# KiCad board FrontEnd_5G.kicad_pcb (continued)
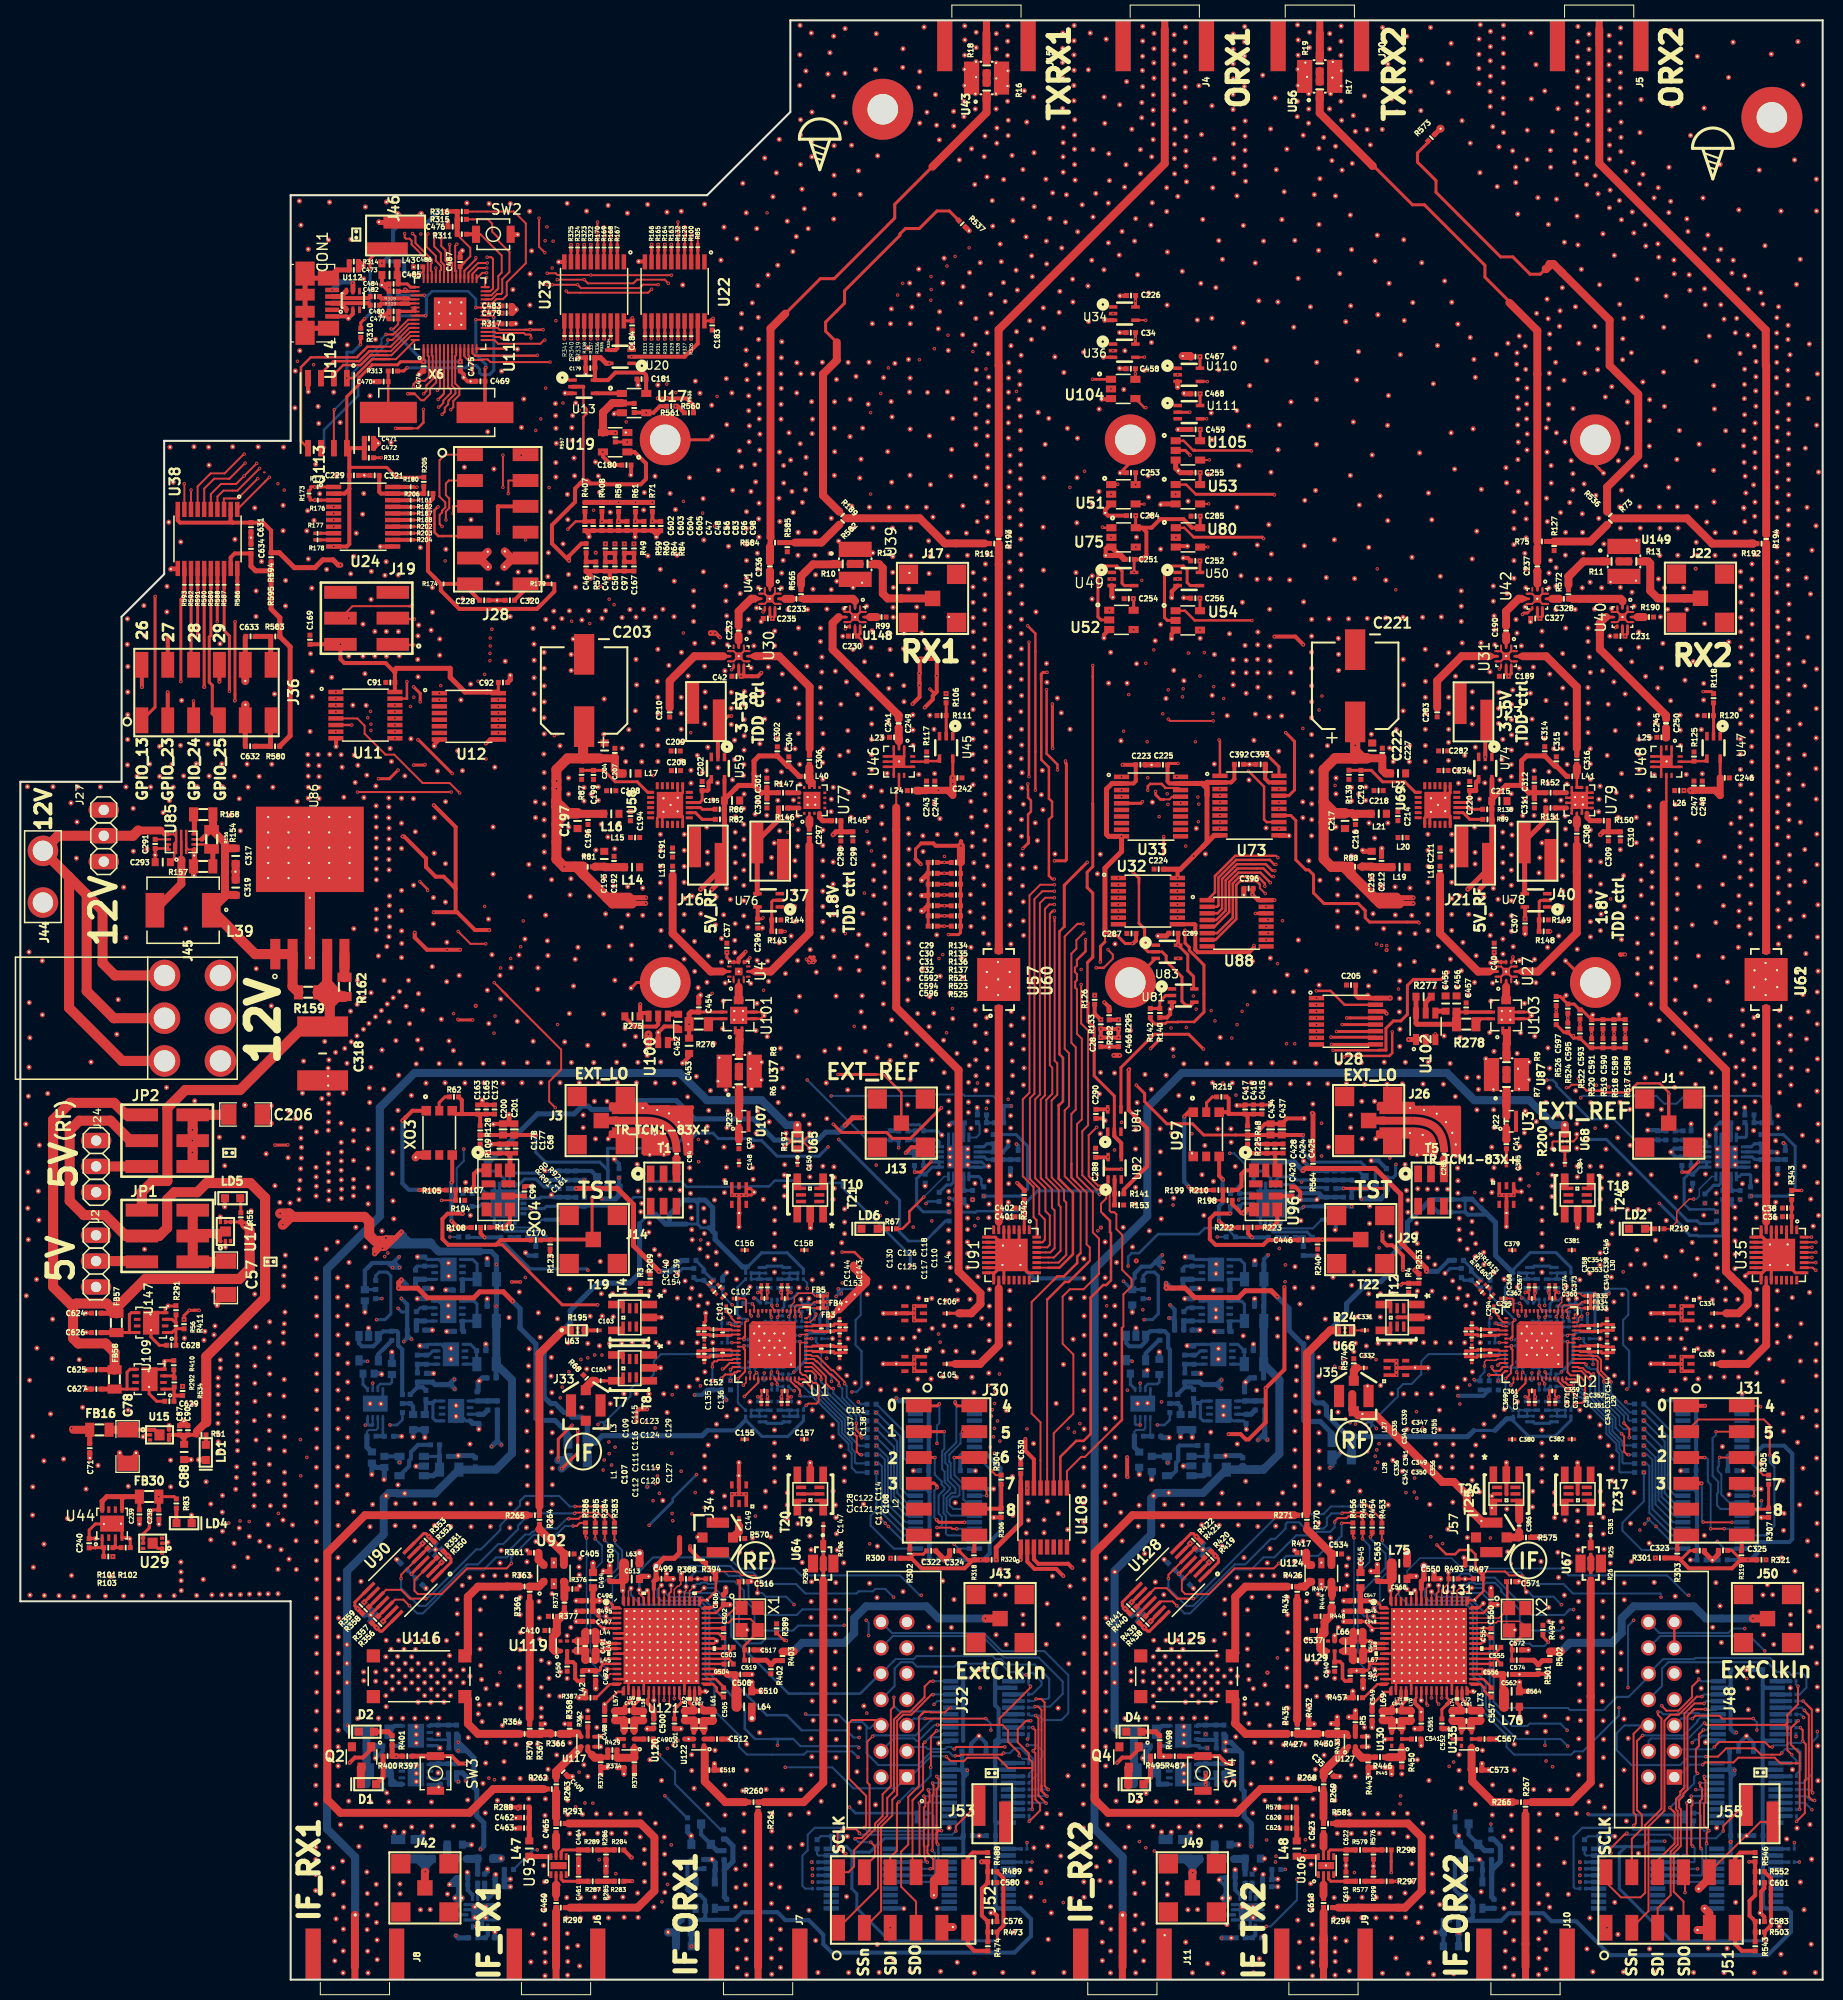
[diagram p0: board, top side]
## Routing (per net, layer and track width the routed paths; a pad name or vN(x,y) marks a point on that pad's centre or on a via; arc(x,y) is an arc through that point) (continued)
  F.FR4 w0.2: v1(52.78,167.09) 49.14,167.09 48.47,167.76 v1(45.83,167.76)
  B.FR4 w0.2: v1(55.43,167.09) v1(55.43,170.53) ; v1(63.7,166.73) 63.37,167.06 63.37,167.84 63.36,167.84 v1(63.36,170.55)
/RP2040_MCU/MCU_GPIO19: length 28.8
  F.RO w0.2: v1(62.7,166.6) 61.21,166.6 60.87,166.26 55.11,166.26 v1(54.78,166.59) v1(52.28,166.59) ; 54.78,170.53 v1(54.78,170.52) ; v1(45.85,168.24) 45.02,168.24 44.45,167.67 U115.30
  F.FR4 w0.2: 52.27,168.24 v1(52.28,168.24) v1(45.85,168.24)
  B.FR4 w0.2: v1(62.7,166.6) v1(62.7,170.56) ; v1(54.78,166.59) v1(54.78,170.52) ; v1(52.28,168.24) v1(52.28,166.59)
/RP2040_MCU/MCU_GPIO20: length 29.5
  F.RO w0.2: 54.13,170.53 v1(54.13,170.52) ; v1(45.89,168.73) 45.01,168.73 44.04,167.77 U115.31 ; v1(62.05,166.15) 61.71,165.81 53.83,165.81 v1(53.66,165.98)
  F.FR4 w0.2: v1(54.13,170.52) 53.18,170.52 51.39,168.73 v1(45.89,168.73)
  B.FR4 w0.2: v1(62.05,166.15) v1(62.05,170.56) ; v1(54.13,170.52) 54.13,166.45 v1(53.66,165.98)
/RP2040_MCU/MCU_GPIO23: length 48.8
  F.RO w0.2: v1(23.34,147.54) 21.39,145.59 20,145.59 20,144.54 U38.3 ; v1(42.2,170.56) 42.2,169.01 42.45,168.77 U115.35
  F.FR4 w0.2: 23.99,148.14 24,148.15 24.55,148.15 ; 24.55,148.15 29.69,148.15 30.45,148.91 30.45,153.02 31.58,154.15 31.58,156.38 31.18,156.78 31.18,157.84 31.77,158.43 36.38,158.43 37.8,159.85 38.18,159.85 38.7,160.37 41.28,160.37 42.61,161.7 ; 24.55,148.15 23.95,148.15 v1(23.34,147.54) ; 42.61,161.7 42.8,161.89 42.8,165.68 42.2,166.28 v1(42.2,170.56) ; 42.61,161.7 42.57,161.66
/RP2040_MCU/MCU_GPIO23_EXT: length 19.3
  F.RO w0.3: v1(20.55,126.63) 20.55,132.08 20.03,132.6 R587.2
  F.RO w0.4: v1(14.49,126.53) J36.2
  F.FR4 w0.3: v1(14.49,126.53) 20.45,126.53
  F.FR4 w0.4: 20.45,126.53 v1(20.55,126.63)
/RP2040_MCU/MCU_GPIO24: length 48.2
  F.RO w0.2: v1(41.38,171.19) 41.38,170.39 41.79,169.98 41.79,168.96 42.04,168.71 U115.36 ; v1(23.52,148.54) 21.34,146.36 19.96,146.36 19.38,145.78 U38.4
  F.FR4 w0.2: 23.51,148.54 27.73,148.54 28.51,149.32 28.51,149.35 29.1,149.94 29.1,152.22 29.31,152.43 29.78,152.43 29.91,152.56 29.91,153.56 29.83,153.64 29.83,155.34 30.05,155.56 30.05,156.3 30.51,156.76 30.51,157.69 31.64,158.82 36.07,158.82 37.41,160.16 37.84,160.16 38.76,161.08 41.22,161.08 41.7,161.56 41.7,168.61 41.38,168.93 v1(41.38,171.19)
/RP2040_MCU/MCU_GPIO24_EXT: length 18.9
  F.RO w0.3: v1(19.36,133.47) 19.36,136.81 R588.2 ; v1(17.02,125.68) 17.02,123.79 J36.3 ; 21.07,125.69 21.06,125.69 v1(21.1,125.73) 21.1,133.46 v1(21.11,133.47)
  F.FR4 w0.3: 21.06,125.69 17.03,125.69 v1(17.02,125.68) ; v1(21.11,133.47) v1(19.36,133.47)
  B.FR4 w0.3: v1(21.1,125.73) 21.07,125.7
/RP2040_MCU/MCU_GPIO25: length 49.8
  F.RO w0.2: 21.99,147.79 21.21,147.01 19.72,147.01 18.73,146.02 U38.5 ; 21.99,147.79 v1(23.23,149.03) ; 21.99,147.79 v1(22,147.8) ; v1(40.68,171.59) 40.68,170.36 41.34,169.7 41.34,168.86 41.67,168.53 41.67,167.86 41.65,167.84 U115.37
  F.FR4 w0.2: v1(23.23,149.03) 23.81,149.03 ; v1(23.23,149.03) v1(22,147.8) ; v1(23.23,149.03) 23.81,149.03 ; 23.81,149.03 27.41,149.03 28.64,150.26 28.64,154.77 29.57,155.7 29.57,156.68 30.02,157.13 30.02,157.83 31.44,159.25 33.36,159.25 33.36,159.26 35.7,159.26 36.9,160.46 37.28,160.46 38.12,161.3 38.12,165.63 38.37,165.88 38.37,166.59 38.97,167.19 39.67,167.19 40.26,167.78 40.26,169.25 40.68,169.67 v1(40.68,171.59)
/RP2040_MCU/MCU_GPIO25_EXT: length 13.5
  F.RO w0.3: 18.87,124.48 18.87,127.22 18.57,127.52 18.57,131.97 18.73,132.13 R589.2
  F.RO w0.4: 18.87,124.48 J36.4
/RP2040_MCU/MCU_GPIO26: length 48.5
  F.RO w0.2: v1(40.06,171.59) 39.93,171.46 39.93,170.33 40.84,169.42 40.84,168.94 41.34,168.44 41.34,168.05 41.24,167.95 U115.38 ; v1(22.1,149.07) 20.56,147.53 19.05,147.53 18.08,146.56 18.08,144.51
  F.FR4 w0.2: v1(22.1,149.07) 22.53,149.5 27.15,149.5 28.17,150.52 28.17,154.84 29.24,155.92 29.24,157.67 31.3,159.72 33.28,159.72 33.55,160 35.9,160 36.66,160.76 36.95,160.76 37.66,161.47 37.66,165.52 37.31,165.87 37.31,166.38 37.5,166.57 37.5,168.48 38.26,169.24 39.32,169.24 40.06,169.98 v1(40.06,171.59)
/RP2040_MCU/MCU_GPIO26_EXT: length 18.1
  F.RO w0.3: R590.2 18.07,127.07
  F.RO w0.4: 18.07,127.07 v1(18.08,127.06) ; J36.7 v1(11.95,127.04)
  F.FR4 w0.3: v1(18.08,127.06) 11.94,127.06
  F.FR4 w0.4: 11.94,127.06 11.93,127.05
/RP2040_MCU/MCU_GPIO27: length 46.9
  F.RO w0.2: v1(40.84,168.24) 40.85,168.24 U115.39 ; v1(22.01,149.95) 21.97,149.95 20.07,148.05 18.71,148.05 17.42,146.77 U38.7
  F.FR4 w0.2: v1(39.37,171.58) 39.37,170.49 38.48,169.6 38.12,169.6 36.99,168.47 36.99,168.11 36.89,168.01 36.89,163.45 35.25,161.81 34.65,161.81 34.41,161.57 33.71,161.57 33.7,161.56 33.22,161.56 32.91,161.25 32.91,160.54 32.44,160.07 31.17,160.07 27.6,156.5 27.6,150.68 26.87,149.95 v1(22.01,149.95)
  B.FR4 w0.2: v1(39.37,171.58) 39.37,171.05 39.46,170.96 39.46,170.98 39.91,170.53 39.91,169.17 v1(40.84,168.24)
/RP2040_MCU/MCU_GPIO27_EXT: length 10.5
  F.RO w0.3: 17.43,132.1 R591.2
  F.RO w0.4: 17.43,132.1 v1(17.44,132.09) ; J36.8 v1(14.49,132.09)
  F.FR4 w0.3: v1(14.49,132.09) v1(17.44,132.09)
  B.FR4 w0.4: v1(14.49,132.09) 14.48,132.09
/RP2040_MCU/MCU_GPIO28: length 49.3
  F.RO w0.2: v1(16.78,146.42) 16.77,146.42 U38.8 ; v1(38.55,171.63) 38.84,171.34 38.84,170.68 40.45,169.07 40.45,168.74 40.35,168.64 40.35,167.96 40.45,167.87 U115.40
  F.FR4 w0.2: v1(16.78,146.42) 16.79,146.41 16.8,146.41 17.4,145.81 25.34,145.81 v1(25.94,146.41) ; v1(28.83,158.74) 29.66,159.57 29.96,159.57 29.96,159.58 32.35,161.97 33.53,161.97 34.92,163.36 34.92,167.13 35.07,167.28 35.51,167.28 36.63,168.4 36.63,168.61 37.94,169.92 38.15,169.92 38.44,170.21 38.44,171.52 v1(38.55,171.63)
  B.FR4 w0.2: v1(25.94,146.41) 26.58,147.05 26.58,149.41 27.96,150.79 27.96,152.63 27.95,152.63 28.05,152.73 28.05,153.58 28.25,153.78 28.25,154.4 29.1,155.25 29.1,156.42 28.67,156.85 28.67,158.12 ; 28.67,158.12 28.67,158.51 ; 28.67,158.12 28.67,158.58 v1(28.83,158.74)
/RP2040_MCU/MCU_GPIO28_EXT: length 7.7
  F.RO w0.3: R592.2 16.78,129.49
  F.RO w0.4: 16.78,129.49 J36.9
/RP2040_MCU/MCU_GPIO29: length 49.6
  F.RO w0.2: v1(16.11,147.04) 16.12,147.03 U38.9 ; v1(37.78,171.63) 37.78,171.24 37.9,171.12 38.26,171.12 38.46,170.92 38.46,170.56 40.04,168.98 U115.41
  F.FR4 w0.2: v1(16.11,147.04) 18.16,147.04 18.86,146.34 24.62,146.34 v1(25.32,147.04) ; v1(27.24,159.07) 27.41,159.24 27.93,159.24 27.93,159.26 28.74,160.07 29.5,160.07 31.98,162.55 32.65,162.55 33.02,162.92 33.02,163.48 34.38,164.84 34.38,167.54 34.68,167.84 35.44,167.84 37.78,170.18 v1(37.78,171.63)
  B.FR4 w0.2: v1(25.32,147.04) 25.97,147.69 25.97,149.67 27.4,151.1 27.4,152.73 27.39,152.73 27.67,153.01 27.67,158.64 v1(27.24,159.07)
/RP2040_MCU/MCU_GPIO29_EXT: length 14.8
  F.RO w0.3: 16.12,135.99 15.78,135.65 v1(15.78,127.59)
  F.RO w0.4: v1(19.57,127.58) J36.10 ; R593.2 16.12,135.99
  F.FR4 w0.3: v1(19.57,127.58) 15.79,127.58
  F.FR4 w0.4: 15.79,127.58 v1(15.78,127.59)
/RP2040_MCU/MISO_1_EXT: length 6.3
  F.RO w0.2: v1(39.28,144.12) R187.2 ; 44.18,144.83 42.54,144.83 v1(42.54,144.11) ; 44.18,144.83 J28.3 44.18,144.83
  F.FR4 w0.3: v1(42.54,144.11) 42.53,144.12 v1(39.28,144.12)
/RP2040_MCU/MOSI_1_EXT: length 9.5
  F.RO w0.2: v1(39.24,143.47) R188.2 ; v1(41.84,143.47) 41.83,143.48 41.83,144.31 42.16,144.64 42.16,145.58 41.83,145.91 41.83,147.06 42.12,147.35 J28.2
  F.FR4 w0.3: v1(39.24,143.47) v1(41.84,143.47)
/RP2040_MCU/PB0_pin_VDD_CON: length 11.8
  F.RO w0.2: v1(49.66,141.51) J28.10 ; R204.2 v1(39.2,141.52)
  F.FR4 w0.25: v1(49.66,141.51) 49.65,141.52 v1(39.2,141.52)
  B.FR4 w0.2: 49.65,141.52 v1(49.66,141.51)
/RP2040_MCU/PC4_pin_VDD_CON: length 13.7
  F.RO w0.2: R203.2 v1(39.21,142.17)
  F.RO w0.4: v1(46.95,142.17) 46.95,144.81 46.94,144.81 J28.9
  F.FR4 w0.25: v1(39.21,142.17) v1(46.95,142.17)
/RP2040_MCU/QSPI_CSn: length 25.4
  F.RO w0.2: 36.32,159.28 36.93,159.28 U115.56
  F.RO w0.25: 36.32,159.28 34.6,159.28 32.74,157.42 v2(32.09,157.42)
  F.RO w0.3: v2(33.43,160.74) 33.43,161.39 R310.1 ; v1(35.47,149.61) 35.45,149.59 R312.2
  F.FR4 w0.3: v2(32.09,157.42) 32.85,156.66 32.85,152.26 32.09,151.5 32.09,150.3 32.78,149.61 v1(35.47,149.61)
  B2.RO w0.3: 32.1,157.41 32.1,159.97 32.68,159.97 33.44,160.73
/RP2040_MCU/QSPI_SCK: length 16.8
  F.RO w0.2: v2(36.14,161.17) 36.15,161.17 36.57,161.17 38.16,162.75 U115.52 ; v2(29.85,150.59) 29.79,150.54 U113.6
  F.RO w0.25: 29.55,150.54 U113.6
  B2.RO w0.2: v2(36.14,161.17) 36.1,161.13 36.1,160.86 33.21,157.97
  B2.RO w0.25: 33.21,157.97 33.21,155.69 29.85,152.33 v2(29.85,150.59)
/RP2040_MCU/QSPI_SD0: length 21.1
  F.RO w0.2: 35.71,160.5 36.4,160.5 38.26,162.36 U115.53
  F.RO w0.25: 35.71,160.5 34.12,160.5 33.07,159.46 28.54,159.46 27.59,158.5 27.59,151.23 U113.5
/RP2040_MCU/QSPI_SD1: length 9.9
  F.RO w0.2: 36.1,159.67 36.48,159.67 38.37,161.56 U115.55
  F.RO w0.25: 36.1,159.67 34.43,159.67 33.46,158.69 31.74,158.69 30.82,157.78 U113.2
/RP2040_MCU/QSPI_SD2: length 11.4
  F.RO w0.2: 35.93,160.06 36.43,160.06 38.32,161.96 U115.54
  F.RO w0.25: 35.93,160.06 34.32,160.06 33.32,159.07 30.76,159.07 29.55,157.86 U113.3
/RP2040_MCU/QSPI_SD3: length 17
  F.RO w0.2: 36.66,161.71 38.12,163.16 U115.51 ; 36.66,161.71 36.4,161.71 ; 36.66,161.71 35.95,161.71 v2(35.94,161.71) ; v2(30.87,154.31) 30.82,154.27 U113.7
  B2.RO w0.2: 30.87,154.31 32.63,156.07 32.63,157.92 35.5,160.79 35.5,161.27 v2(35.94,161.71)
/RP2040_MCU/RESETn: length 9.3
  F.RO w0.2: U115.26 46.31,165.56 46.98,166.22 46.98,167.45 47.32,167.79 47.32,169.46 45.23,171.56 SW2.2
  F.RO w0.4: R311.2 SW2.2
/RP2040_MCU/SCLK_1_EXT: length 8.9
  F.RO w0.2: v1(41.06,144.76) 41.06,144.78 ; v1(39.29,144.76) R182.2
  F.RO w0.25: 41.06,144.78 40.71,144.43 40.71,142.26 41.08,141.89 43.82,141.89 J28.4
  F.FR4 w0.3: v1(39.29,144.76) v1(41.06,144.76)
/RP2040_MCU/SPI_2_MCU_DIR_OUT_in: length 62.8
  F.RO w0.25: v1(38,127.59) 38,125.91 37.99,125.9 37.98,125.92 U11.15 ; 55.35,147.38 55.35,153.61 55.66,153.92 55.66,154.39 55.35,154.7 55.35,156.57
  F.RO w0.4: 55.31,147.34 54.53,146.56 54.53,145.24 52.26,142.97 52.26,141.15 v1(53.94,139.47) 53.94,139.94 55.15,141.15 R49.2 ; 55.31,147.34 55.75,147.34 56.03,147.06 57.47,147.06 57.55,146.98 60.99,146.98 61.5,147.49 61.5,149.03 60.37,150.16 U19.1 ; 55.31,147.34 55.35,147.38 ; U13.2 55.35,156.57
  F.FR4 w0.25: 41.79,139.47 v1(41.76,139.44)
  F.FR4 w0.4: v1(53.94,139.47) 41.79,139.47
  B.FR4 w0.25: 40.51,131.91 40.51,130.12 39.36,128.97 39,128.97 38.44,128.41 38.44,128.05 37.99,127.6 ; 41.42,139.47 41.4,139.44 v1(41.76,139.44) 41.76,139.44 41.79,139.47 41.42,139.47
  B.FR4 w0.3: v1(38,127.59) 37.99,127.59 37.99,127.6 ; 41.4,139.44 41.18,139.23 41.18,132.58 40.51,131.91
/RP2040_MCU/SS_1_EXT: length 13.9
  F.RO w0.2: v1(41.46,142.83) 41.22,143.07 41.22,143.98 41.46,144.22 41.46,144.39 41.77,144.7 41.77,145.2 41.2,145.77 41.2,149.33 41.76,149.89 J28.1 43.41,149.89 ; v1(39.24,142.82) R202.2
  F.FR4 w0.25: v1(41.46,142.83) 41.45,142.82 v1(39.24,142.82)
  B.FR4 w0.2: v1(41.46,142.83) 41.45,142.82
/RP2040_MCU/SWCLK: length 16.6
  F.RO w0.2: R316.1 48.52,173.79 49.69,172.62 49.69,168.71 47.81,166.83 47.81,165.55 47.44,165.18 46.8,165.18 46.37,164.75 U115.24
/RP2040_MCU/SWDIO: length 12.5
  F.RO w0.2: U115.25 46.34,165.16 46.86,165.68 47.24,165.68 47.37,165.81 47.37,167.14 48.08,167.85 48.08,169.81 47,170.89 47,171.19 46.38,171.81 46.38,172.59 45.95,173.03 R315.1
/RP2040_MCU/TX/rx_1_EXT: length 14.2
  F.RO w0.2: v1(47.44,146.69) v1(47.44,149.84) ; v1(49.24,149.84) 49.61,149.84 J28.7
  F.RO w0.3: v1(38.98,146.69) 38.68,146.69 R180.2
  F.FR4 w0.3: v1(47.44,146.69) v1(38.98,146.69) ; v1(47.44,149.84) v1(49.24,149.84)
/RP2040_MCU/TX/rx_2_EXT: length 12.6
  F.RO w0.2: v1(39.28,145.44) 39.25,145.41 R181.2 ; J28.8 48,147.35 47.97,147.32 47.97,146.07 v1(47.96,146.06)
  F.FR4 w0.25: 47.94,146.04 v1(47.96,146.06) ; 47.96,146.05 47.97,146.05 47.97,146.04
  F.FR4 w0.3: 47.96,146.05 47.35,145.44 v1(39.28,145.44) ; 47.97,146.04 47.94,146.04
/RP2040_MCU/USB_BOOTn: length 9.3
  F.RO w0.3: v2(33.85,163.25) 33.46,162.87 R310.2 ; v2(34.37,168.18) 34.37,169.15 35.4,170.17 J46.1
  B2.RO w0.3: 33.85,163.24 34.38,163.77 34.38,168.17
/RP2040_MCU/USB_DM: length 5.5
  F.RO w0.2: 38.05,165.34 38.24,165.16 U115.46
  F.RO w0.4: 37.76,165.25 37.77,165.25 37.71,165.25 38.14,165.25 36.5,165.25 ; 35.48,165.25 R308.2 35.48,165.25 ; 35.48,165.25 36.5,165.25 ; 35.48,165.25 36.5,165.25
/RP2040_MCU/USB_DP: length 5.3
  F.RO w0.2: U115.47 38.16,164.75 38.14,164.73
  F.RO w0.4: 37.44,164.73 35.45,164.73 ; 37.44,164.73 38.18,164.73 ; 37.44,164.73 38.18,164.73 ; 37.44,164.73 38.18,164.73 ; 35.45,164.73 R309.2 35.45,164.73
/RP2040_MCU/VREG_OUT_1V1: length 19.8
  F.RO w0.2: v2(39.71,165.56) 39.71,165.56 U115.45 ; v2(39.84,163.55) 39.84,163.56 U115.50 ; v2(44.77,164.35) 44.77,164.36 U115.23 47.2,164.36 C483.2
  F.RO w0.25: 46.21,164.36 47.2,164.36 C483.2
  F.RO w0.3: 47.33,164.51 C483.2
  B2.RO w0.25: 44.78,164.36 44.78,164.32 44.78,165.18 44.01,165.95 40.47,165.95 40.07,165.55 39.7,165.55
  B2.RO w0.3: 37.15,165.55 39.7,165.55 v2(39.71,165.56) 39.92,165.35 39.92,163.64 39.82,163.54 39.82,163.53 ; 37.15,163.54 39.83,163.54 39.82,163.53 ; 39.82,163.53 v2(39.84,163.55) ; v2(44.77,164.35) 44.78,164.36
/RP2040_MCU/XIN: length 13.5
  F.RO w0.2: v2(44.77,163.16) 44.77,163.16 U115.20
  F.RO w0.3: v2(45.76,158.45) 45.68,158.37 45.68,154.09 45.67,154.09 C469.1
  B2.RO w0.3: v2(44.77,163.16) 44.77,163.17 44.77,159.74 45.76,158.75 45.76,158.44 v2(45.76,158.45)
/RP2040_MCU/XOUT: length 16.6
  F.RO w0.2: v2(46.54,163.4) 46.37,163.56 U115.21
  F.RO w0.3: R313.1 37.7,158.12 v2(38.01,158.44)
  B2.RO w0.3: 38.02,158.43 43.78,158.43 44.01,158.66 44.79,158.66 45.15,158.3 45.15,157.94 45.33,157.76 46.11,157.76 46.54,158.19 46.54,163.39
/SC1905_1/ADCIN0N(P7): length 14.5
  F.RO w0.15: U121.25 v2(63.28,27.46)
  F.FR4 w0.2: v2(63.62,22.73) 63.28,23.07 v2(63.28,27.46)
  B.FR4 w0.25: v2(63.36,18.08) 62.44,19 62.44,20 63.33,20.89 63.33,21.85 63.62,22.14 v2(63.62,22.73)
  B2.RO w0.25: v2(63.36,18.08) 65.53,15.91 R381.1
/SC1905_1/ADCIN0P(P6): length 16.5
  F.RO w0.15: 62.78,26.96 62.77,26.97 62.77,28.4 U121.24
  F.FR4 w0.2: v2(62.85,22.11) 62.89,22.15 62.89,26.55 62.77,26.67 v2(62.77,26.96)
  B2.RO w0.15: 62.78,26.96 v2(62.77,26.96)
  B2.RO w0.2: R382.1 68.86,14.72 64.36,19.22 64.36,20.48 62.85,21.99 v2(62.85,22.11)
/SC1905_1/ADCIN1N(P10): length 43.7
  F.RO w0.15: v2(64.29,27.63) 64.29,28.4 U121.27
  F.RO w0.2: v2(56.9,11.79) 56.89,11.79
  F.FR4 w0.2: 56.91,11.79 v2(56.9,11.79) 56.91,11.79 ; 56.91,11.79 58.38,11.79 ; v2(64.65,23.51) 64.3,23.86 64.3,24.96 65.09,25.75 65.09,26.63 64.29,27.43 v2(64.29,27.63) ; v2(56.9,8.85) 50.58,8.85 46.95,5.22 v2(44.75,5.22)
  F.FR4 w0.25: v2(64.51,11.21) 63.2,11.21 62.84,10.85 59.94,10.85 59,11.79 58.38,11.79
  B.FR4 w0.2: 64.49,14.27 64.49,17.03 64.9,17.44 64.9,22.19 64.65,22.44 v2(64.65,23.51) ; v2(56.9,8.85) v2(56.9,11.79)
  B.FR4 w0.25: v2(64.51,11.21) 64.73,11.43 64.73,13.85 64.49,14.09 64.49,14.27
  B2.RO w0.3: IC1.12 v2(44.75,5.22) IC1.11
/SC1905_1/ADCIN1P(P9): length 33.7
  F.RO w0.15: 63.79,27.38 63.79,28.4 U121.26 ; 63.79,27.38 63.79,27.07 ; 63.79,27.38 63.79,27.06 v2(63.88,26.97)
  F.FR4 w0.15: 63.91,26.94 v2(63.88,26.97) 63.91,26.94 ; 63.91,26.94 63.91,26.68
  F.FR4 w0.2: 63.91,26.94 63.91,23.3 v2(64.15,23.06) ; 57.83,12.36 51.21,12.36 v2(50.81,12.76)
  F.FR4 w0.25: v2(63.99,13.25) 63.12,13.25 62.04,12.17 60.83,12.17 60.43,12.57 59.71,12.57 59.5,12.36 57.83,12.36
  B.FR4 w0.2: 63.82,15.33 63.82,17.25 64.25,17.68 64.25,18.58 63.82,19.01 63.82,21.55 64.15,21.88 v2(64.15,23.06)
  B.FR4 w0.25: v2(63.99,13.25) 63.99,14.84 63.82,15.01 63.82,15.33
  B2.RO w0.2: v2(50.81,12.76) 50.41,12.76 R391.2 48.49,10.84
/SC1905_1/DGPIN0: length 74.7
  F.RO w0.15: 60.03,38.46 59.78,38.21 U121.63
  F.FR4 w0.25: J32.7 88.3,28.68 v2(94.35,28.68) ; 86.91,27.53 85.68,26.3 83.31,26.3 v2(83.21,26.2)
  F.FR4 w0.3: J32.7 86.91,27.53
  B.FR4 w0.2: v2(82.35,21.86) 83.01,21.86 83.25,22.1 83.25,26.22
  B.FR4 w0.25: v2(99.45,11.56) 99.14,11.56 95.96,14.74 95.96,19.96 95.44,20.48 95.44,21.61
  B.FR4 w0.3: J32.7 86.93,27.31
  B.FR4 w0.4: 95.44,21.61 95.44,23.62 94.35,24.71 v2(94.35,28.68)
  B2.RO w0.15: 73.89,22.12 73.94,22.12
  B2.RO w0.2: v2(99.45,11.56) 99.44,11.56 99.43,11.55 98.94,11.55 ; v2(82.35,21.86) 81.97,22.25 81.94,22.25 81.76,22.43 77.33,22.43 77.02,22.12 71.41,22.12 70.64,22.89 70.64,24.03 68.23,26.44 68.23,28.97 67.34,29.86 67.34,36.22 66.7,36.86 60.98,36.86 60.03,37.81 60.03,38.46
/SC1905_1/DGPIN1: length 63
  F.RO w0.15: U121.56 63.28,38.12 63.27,38.13
  F.RO w0.2: v2(88.93,25.66) v2(94.91,25.66)
  F.FR4 w0.2: v2(82.46,23.8) 82.56,23.8 83.25,23.11 83.83,23.11 84.15,23.43 86.47,23.43 87.15,24.11 J32.5 ; 98.95,23.7 98.33,23.7 ; 98.95,23.7 v2(99,23.65) ; 98.95,23.7 98.33,23.7 ; 98.33,23.7 97.07,23.7 96.76,24.01 95.93,24.01 v2(95.41,24.53)
  B.FR4 w0.2: v2(99,23.65) 98.44,23.65 97.76,22.97
  B.FR4 w0.25: v2(98.95,13.47) 98.75,13.47 97.21,15.01 97.21,22.42 97.82,23.03 97.76,22.97
  B2.RO w0.2: 68.97,35.6 66.95,37.62 63.78,37.62 63.27,38.13 ; v2(88.93,25.66) 87.82,25.66 J32.5 ; v2(94.91,25.66) 95.13,25.44 95.12,25.45 95.41,25.16 v2(95.41,24.53) ; v2(98.95,13.47) 98.94,13.47 98.94,12.85 ; 99.11,23.89 99.09,23.91 R482.2 ; 76.81,24.51 81.2,24.51 81.91,23.8 v2(82.46,23.8)
  B2.RO w0.25: 76.81,24.51 75.33,25.99 73.38,25.99 69.29,30.08 69.29,35.28 68.97,35.6 ; R482.2 99.1,24.12 99.1,23.75 v2(99,23.65)
/SC1905_1/DGPIN1_EXT: length 16.3
  F.RO w0.2: v2(88.92,23.35) 88.74,23.17 88.74,18.68 87.7,17.64 87.7,10.91 J52.10
  B2.RO w0.2: 91.46,24.13 91.46,24.14 90.65,24.14 90.34,23.83 89.4,23.83 v2(88.92,23.35)
/SC1905_1/EXTCLKIN(P20): length 3.2
  F.RO w0.15: C519.1 72.16,31.4
  F.RO w0.5: R403.2 74.18,31.36 R402.2 73.34,31.4 C519.1
/SC1905_1/LOADENB: length 75.3
  F.RO w0.2: v2(99.52,24.77) 99.78,24.51 99.78,22.71 v2(99.56,22.49) 99.78,22.27 99.78,17.71 100.24,17.25 100.24,16.63 v2(99.17,15.56) ; 60.83,38.31 60.83,37.98 61.28,37.53 U121.60 ; v2(96.77,22.87) 92.01,22.87 v2(91.82,22.68)
  F.FR4 w0.2: v2(96.77,22.87) 97.15,22.49 v2(99.56,22.49)
  B.FR4 w0.25: v2(88.57,37.78) 88.57,27.07 88.27,26.77 88.27,23.57 J32.3
  B2.RO w0.2: 61.15,40.45 60.86,40.16 60.86,38.38 ; 61.15,40.45 60.83,40.13 60.83,38.31 ; 61.15,40.45 61.71,41.01 62.2,41.5 69.64,41.5 70.73,40.41 76.08,40.41 76.76,39.73 86.46,39.73 88.41,37.78 v2(88.57,37.78) ; v2(99.17,15.56) 99.17,16.08 R467.2 ; R481.2 99.51,24.78 v2(99.52,24.77) ; v2(91.82,22.68) 91.68,22.68 91.49,22.87 91.08,22.87 90.89,22.68 89.18,22.68 88.99,22.87 87.57,22.87 J32.3
/SC1905_1/LOADENB_EXT: length 18.8
  F.RO w0.2: v2(89.48,20.87) 89.51,20.9 89.51,23.9 v2(90.07,24.46) ; v2(86.36,17.47) 86.18,17.29 86.17,17.29 86.17,12.67 85.51,12.01 J52.9 85.51,11.72
  B2.RO w0.2: v2(89.48,20.87) 89.48,20.03 88.25,18.8 87.7,18.8 86.37,17.47 v2(86.36,17.47) ; v2(90.07,24.46) 90.08,24.45 90.29,24.45 90.62,24.78 U134.13
/SC1905_1/MGPO0(P34): length 31.2
  F.RO w0.2: v2(54.53,46.51) 57.06,46.51 58.4,45.17 R383.2 ; v2(39.87,37.45) 38.29,37.45 37.42,38.32 35.95,38.32 U90.10
  F.RO w0.3: U90.10 R358.1
  B2.RO w0.2: v2(54.53,46.51) 54,46.51 52.97,47.54 49.61,47.54 49.12,47.05 49.12,46.6 47.18,44.66 47.18,44.2 45.27,42.29 44.82,42.29 39.98,37.45 v2(39.87,37.45)
/SC1905_1/MGPO1(P35): length 30.4
  F.RO w0.2: v2(54.48,45.83) 54.55,45.9 56.81,45.9 57.45,45.26 R384.2 ; v2(37.43,39.42) 37.43,39.8 U90.5
  F.RO w0.3: U90.5 R352.1
  B2.RO w0.2: v2(54.48,45.83) 50.12,45.83 49.13,44.84 ; v2(37.43,39.42) 37.43,38.48 39.17,36.74 39.86,36.74 43.94,40.82 44.98,40.82 46.97,42.81 47.46,42.81 48.93,44.28 48.93,44.64 49.13,44.84 ; 49.13,44.84 49.13,44.83 49.13,44.84
/SC1905_1/MGPO2(P37): length 27.3
  F.RO w0.2: v2(53.91,45.3) 54.87,45.3 55.11,45.54 56.22,45.54 56.52,45.24 R385.2 ; v2(38.25,36.75) 37.65,37.35 36.82,37.35 U90.12
  F.RO w0.3: U90.12 R357.1
  B2.RO w0.2: v2(53.91,45.3) 53.7,45.3 52.74,44.34 50.78,44.34 50.46,44.02 50.34,44.02 50.07,43.75 49.62,43.75 48.12,42.25 48.12,41.8 47.82,41.5 46.76,41.5 45.57,40.31 43.87,40.31 39.56,36 39,36 v2(38.25,36.75)
/SC1905_1/MGPO3(P38): length 24.4
  F.RO w0.2: v2(48.27,40.9) 47.79,40.42 43.91,40.42 41.39,37.9 39.07,37.9 38.74,38.23 38.74,39.27 U90.3 ; v2(54.33,44.59) 54.34,44.6 54.7,44.6 54.99,44.89 R386.2
  F.RO w0.3: U90.3 R351.1
  B2.RO w0.2: v2(48.27,40.9) 48.27,41.53 50.46,43.72 52.68,43.72 53.55,44.59 v2(54.33,44.59)
/SC1905_1/RESETN: length 147.1
  F.RO w0.15: 72.46,38.01 72.46,39.46 72.19,39.73 70.91,39.73 70.53,40.11 70.53,40.12 68.61,40.12 68.35,39.86
  F.RO w0.2: v2(82.93,14.93) 83.14,15.14 83.14,18.07 81.46,19.75 81.46,25.22 81.76,25.52 84.08,25.52 J32.6 83.97,24.99 ; v2(96.65,22.27) 96.5,22.12 92.47,22.12 92.35,22 v2(91.89,22)
  F.RO w0.25: R394.1 68.36,39.34 68.36,38.18 67.47,37.29 66.9,37.29 U121.49
  F.RO w0.4: 67.41,41 67.41,40.7 68.3,39.81 R394.1 ; 67.41,41 67.41,41.01 ; 67.41,41 67.11,41 65.84,42.27 v2(65.84,42.61) ; v2(43.75,21.24) 43.13,21.24 42.4,21.97 SW3.2
  F.RO w0.5: SW3.2 38.5,21.97 R397.1
  F.RO w0.51: 68.35,39.86 68.35,39.45 R394.1
  B.FR4 w0.25: v2(77.2,26.11) 77.2,33.33 76.79,33.74 76.79,36.14 76.79,36.13 v2(76.05,36.87)
  B.FR4 w0.4: 48.89,41.7 48.89,42.99 49.61,43.71 51.17,43.71 52.31,42.57 53.31,42.57 55.06,44.32 59.86,44.32 60.97,43.21 65.24,43.21 v2(65.84,42.61) ; 48.89,41.7 48.89,41.66 ; 48.89,41.7 48.89,40.69 48.42,40.22 48.42,37.11 48.25,36.94 48.25,35.57 48.14,35.46 48.14,28.88 47.02,27.76 44.37,27.76 42.15,25.54 42.15,21.93 42.84,21.24 v2(43.75,21.24)
  B2.RO w0.2: 89.05,15.12 89.05,14.91 88.73,14.59 83.27,14.59 v2(82.93,14.93) 78.09,14.93 77.4,14.24 77.4,12.71 76.88,12.19 76.88,9.22 77.15,8.95 77.89,8.95 R416.2 ; 89.05,15.12 89.05,15.14 ; 89.05,15.12 R415.2 ; R461.2 99.16,20.24 99.56,20.64 99.56,21.71 99.15,22.12 98.93,22.12 98.3,22.75 97.76,22.75 97.28,22.27 v2(96.65,22.27) ; v2(76.05,36.87) 75.28,37.64 73.29,37.64 72.92,38.01 72.46,38.01 ; v2(77.2,26.11) 77.3,26.01 80.48,26.01 81.18,25.31 82.79,25.31 83.06,25.05 ; 83.06,25.05 83.39,24.71 83.52,24.71 83.8,24.99 J32.6 ; 83.06,25.05 83.18,24.92 83.18,22.25 84.34,21.09 88.23,21.09 89.52,22.38 91.28,22.38 91.66,22 v2(91.89,22)
/SC1905_1/RESETN_CPU: length 18.9
  F.RO w0.2: 90.07,14.29 90.07,15.16 ; 90.07,14.29 90.07,13.41 ; 90.07,14.29 90.07,13.41 ; 90.07,14.29 90.07,14.41 90.3,14.64 ; 90.07,15.16 90.07,14.87 90.3,14.64 ; 90.07,15.16 90.07,18.74 90.27,18.94 90.27,19.72 90.09,19.9 v2(90.09,19.98) ; 90.3,14.64 v2(90.55,14.64) ; 90.07,13.41 v2(90.17,13.31)
  B2.RO w0.2: 90.25,12.37 90.25,10 89.86,9.61 R413.2 ; v2(90.09,19.98) 90.35,19.98 90.35,19.99 U132.18 ; v2(90.55,14.64) 90.08,14.64 89.77,14.95 89.77,16.11 89.51,16.37 R414.2
  B2.RO w0.25: v2(90.17,13.31) 90.25,13.23 90.25,12.37
/SC1905_1/SCLK: length 63.7
  F.RO w0.15: U121.51 65.78,38.21 66.2,38.63
  F.RO w0.2: v2(100.84,17.34) 100.08,18.1 100.08,25.68 v2(99.8,25.96)
  F.FR4 w0.2: v2(80.98,34.83) 81.02,34.83
  F.FR4 w0.25: J32.14 84.62,35.14 84.05,34.57 81.28,34.57 81.02,34.83
  B2.RO w0.2: R479.2 99.24,25.96 v2(99.8,25.96) 100.14,25.96 100.59,25.51 102.33,25.51 103.01,26.19 103.01,29.94 100.66,32.3 96.47,32.3 94.7,34.07 85.69,34.07 J32.14 ; v2(80.98,34.83) 80.95,34.8 76.45,34.8 75.96,34.31 72.92,34.31 72.17,35.06 72.17,36.35 71.12,37.4 71.12,37.39 71.12,38.23 70.21,39.14 68.6,39.14 68.42,38.96 68.42,38.89 67.59,38.89 67.46,39.02 66.96,39.02 66.83,38.89 66.46,38.89 66.2,38.63 ; v2(100.84,17.34) 100.79,17.39 R465.2
/SC1905_1/SCLK_CPU: length 8.5
  F.RO w0.2: v2(88.38,17.37) 88.39,17.36 88.39,12.22 v2(88.38,12.21)
  B2.RO w0.2: v2(88.38,17.37) 88.4,17.39 U132.14 ; v2(88.38,12.21) 88.04,12.21
/SC1905_1/SCLK_EXT: length 27.3
  F.RO w0.2: 80.43,11.04 J52.7 81.4,10.56 81.96,11.12 81.96,12.74 84.01,14.79 84.01,15.32 84.76,16.07 84.76,18.22 85.57,19.03 85.57,26.53 85.87,26.83 v2(85.87,27.75)
  B2.RO w0.2: v2(85.87,27.75) 85.87,26.91 86.41,26.37 90.36,26.37 90.65,26.09 U134.15
/SC1905_1/SDI: length 61.7
  F.RO w0.15: U121.53 64.78,38.11 64.8,38.13
  F.RO w0.2: v2(101.04,18.69) 100.69,19.04 100.69,27.25 100.35,27.59 v2(99.85,27.59)
  B2.RO w0.2: 69.37,36.22 69.12,36.47 69.12,37.11 68.23,38 65.31,38 65.18,38.13 64.8,38.13 ; 85.78,31.24 85.81,31.27 ; 85.78,31.24 86.05,31.51 87.82,31.51 88.11,31.8 95.58,31.8 95.87,31.51 96.39,31.51 96.93,30.97 99.74,30.97 101.14,29.57 101.14,27.75 100.97,27.58 99.84,27.58 v2(99.85,27.59) 99.65,27.39 R477.2 ; 85.78,31.24 J32.10 84.61,29.44 ; R463.2 v2(101.04,18.69)
  B2.RO w0.25: J32.10 84.52,30.07 82.57,28.12 75.52,28.12 69.89,33.75 69.89,35.7 69.37,36.22
/SC1905_1/SDI_CPU: length 11.9
  F.RO w0.2: v2(89.44,10.9) 89.72,10.9 89.73,10.91 89.73,11.86 89.17,12.42 89.17,13.12 89.26,13.21 89.26,17.42 89.37,17.53 89.37,18.4 89.25,18.52 v2(89.25,18.67)
  B2.RO w0.2: v2(89.25,18.67) 89.26,18.69 U132.16 ; v2(89.44,10.9) R470.2
/SC1905_1/SDI_EXT: length 25.9
  B.FR4 w0.2: 87.46,17.97 88.19,18.7 88.19,20.1 ; 88.19,20.1 88.19,20.11 ; 88.19,20.1 88.19,21.94 88.51,22.26 88.74,22.26 89.56,23.08 89.56,23.97 89.25,24.28 89.25,25.08 89.82,25.65 v2(89.82,27.06)
  B.FR4 w0.25: 85.51,13.56 87.46,15.51 87.46,17.97
  B.FR4 w0.3: v2(85.51,5.1) 85.51,13.56
  B2.RO w0.2: U134.17 90.15,27.39 v2(89.82,27.06)
  B2.RO w0.3: v2(85.51,5.1) 85.51,5.09
